# Altium PCB spd150.PcbDoc (part 1 of 15) (continued)
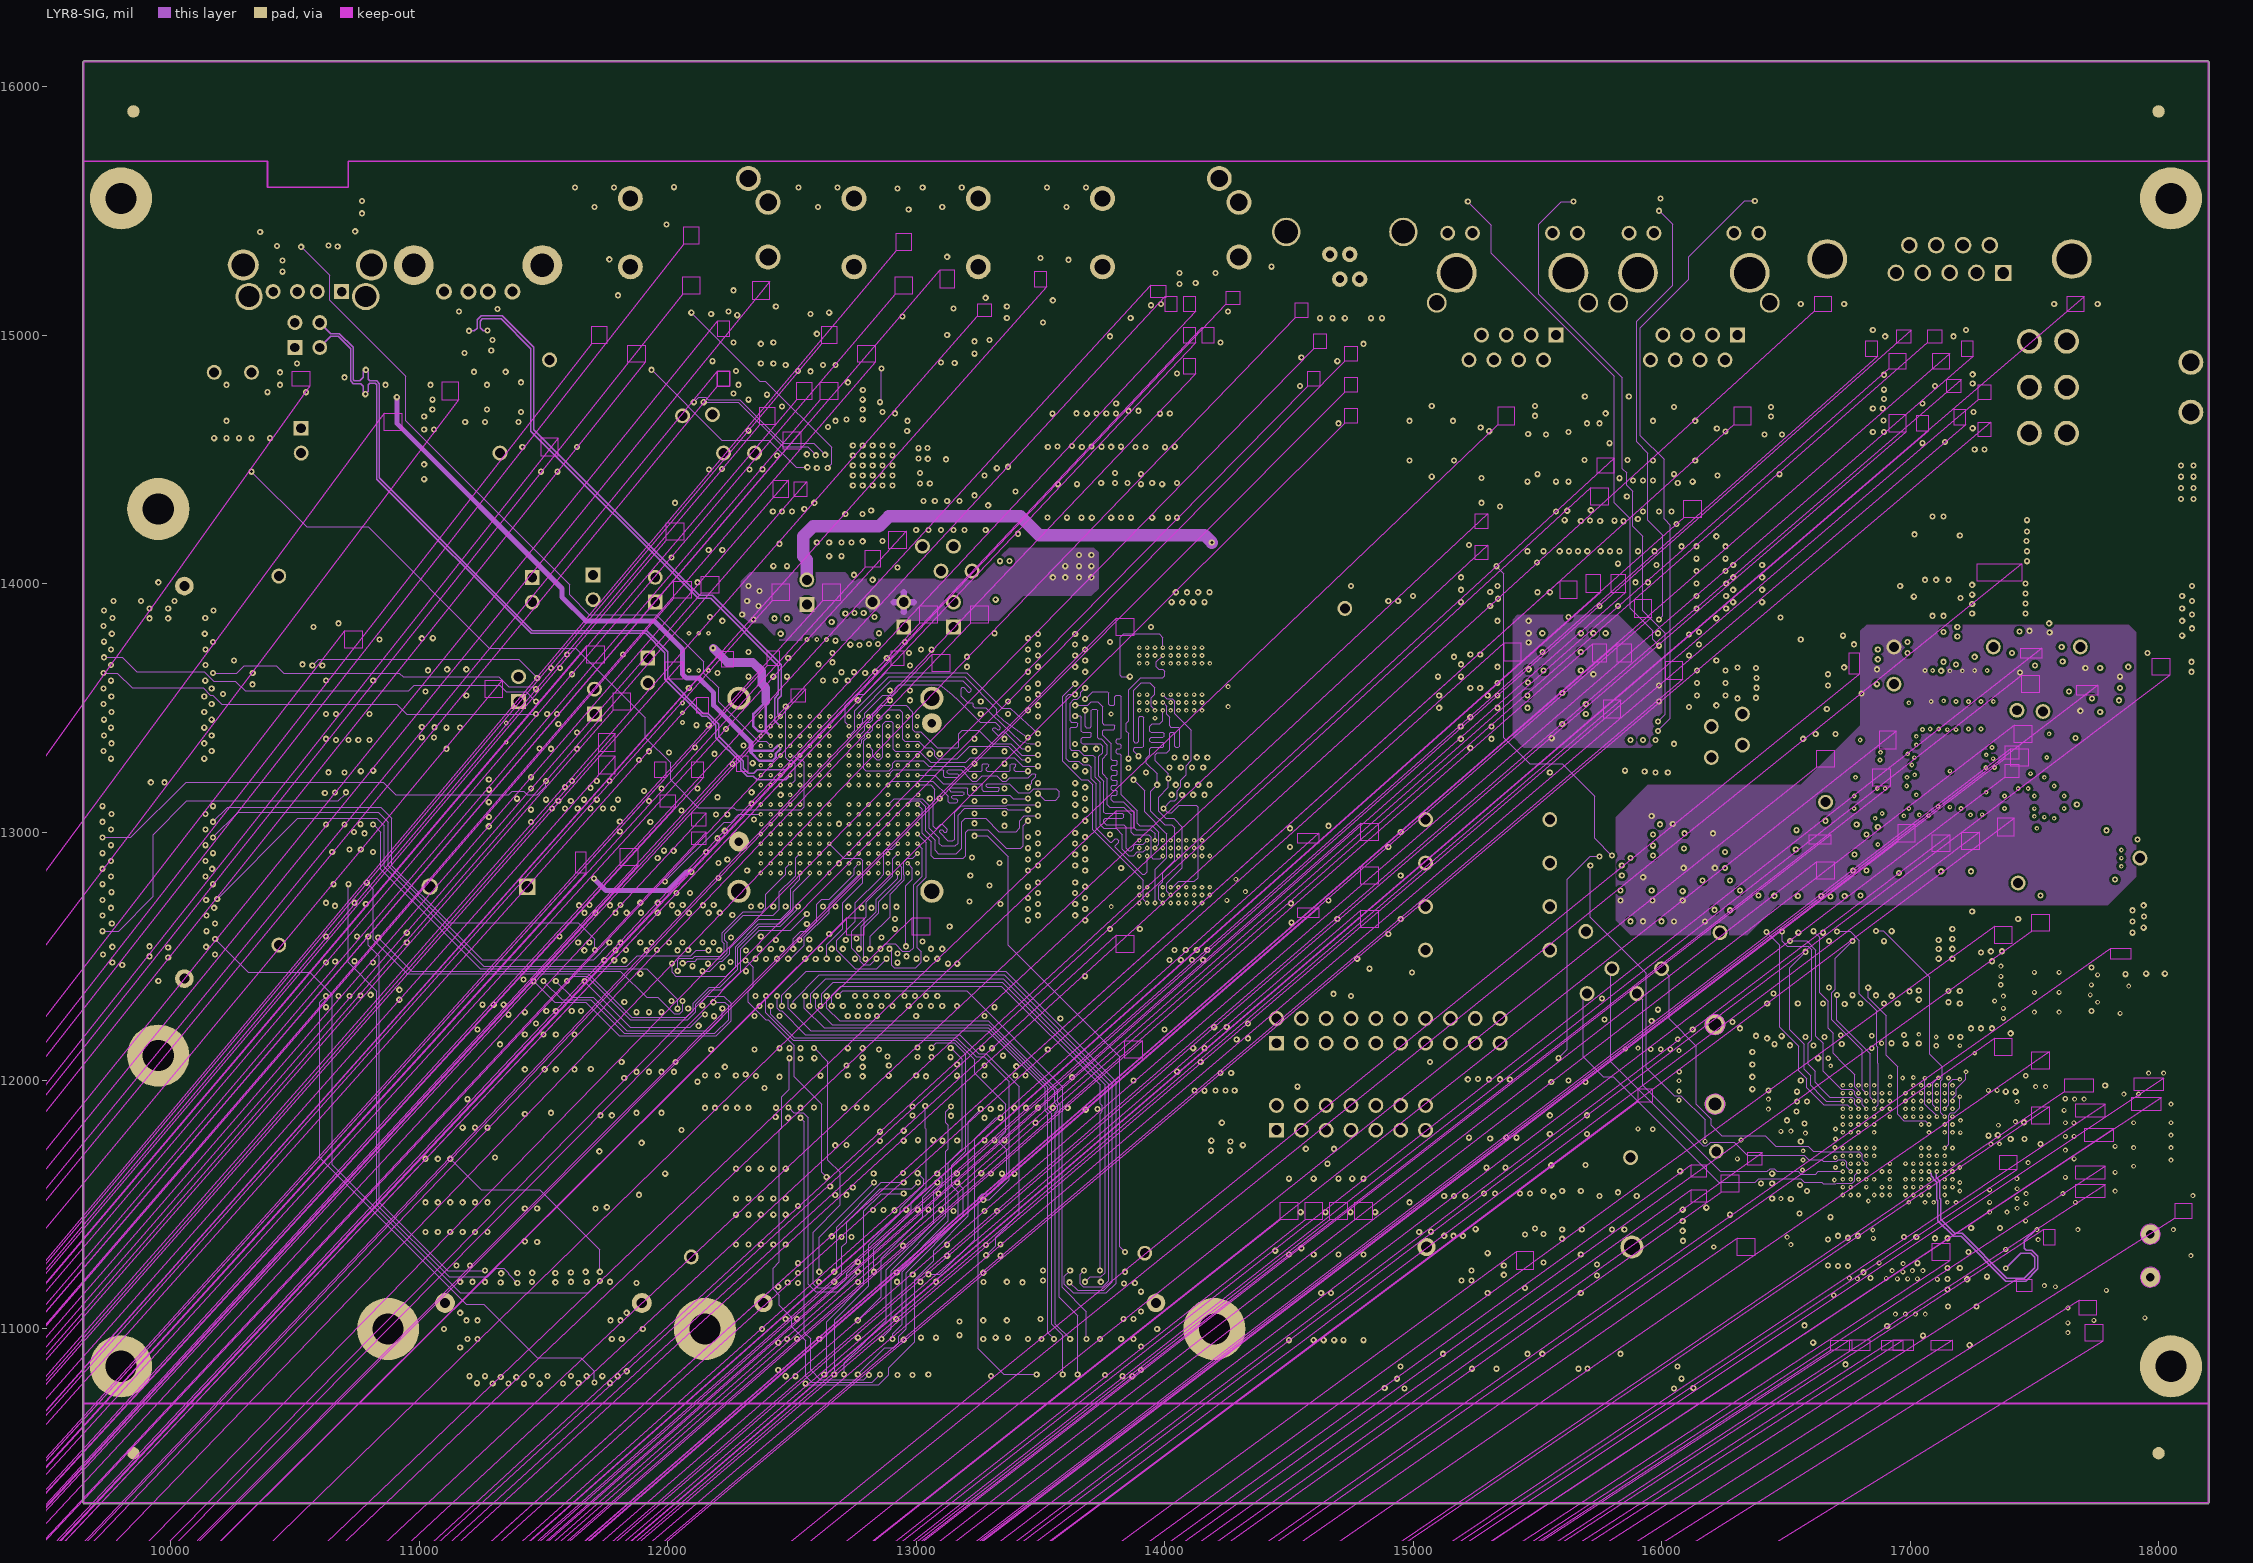
[diagram p8: LYR8-SIG]
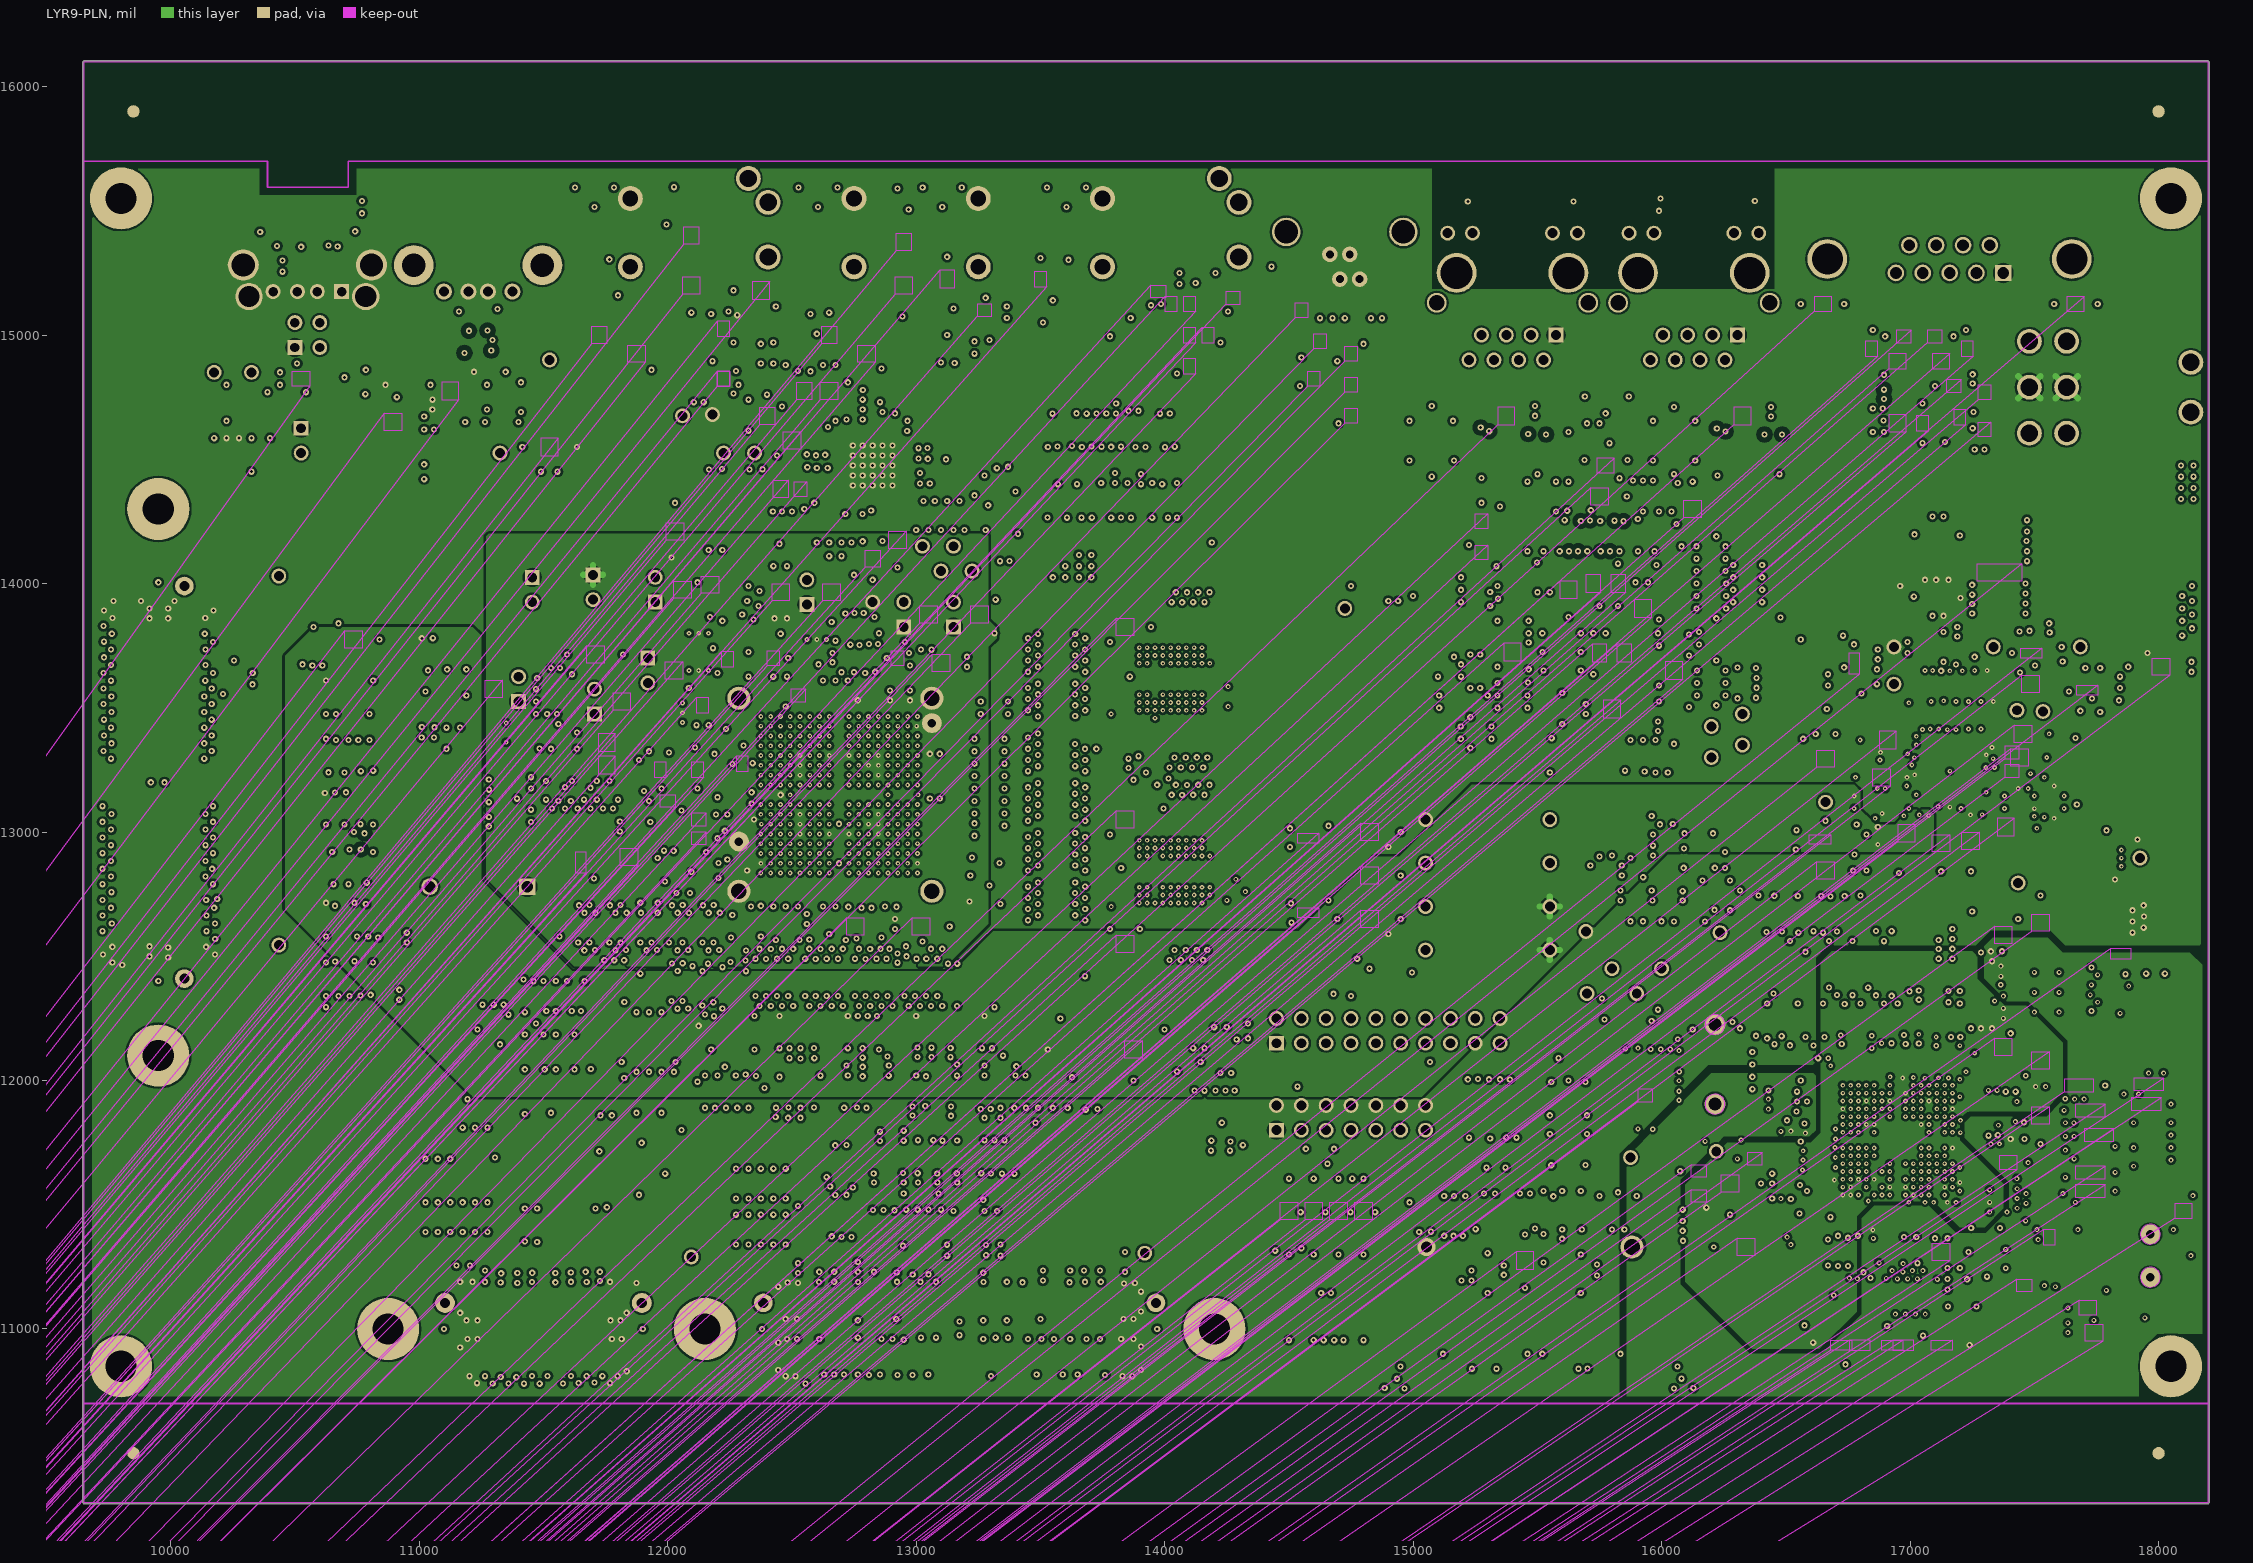
[diagram p9: LYR9-PLN]

## Layer stack, top to bottom
Top Solder: solder mask 0.4, Solder Resist, Dk 3.5
TOP: signal copper 1.2
Dielectric 1: core 8, FR-4, Dk 4.5
LYR2-PLN: signal copper 1.2
Dielectric2: core 8, FR-4, Dk 4.5
LYR3-SIG: signal copper 1.2
Dielectric3: core 8, FR-4, Dk 4.5
LYR4-SIG: signal copper 1.2
Dielectric4: core 8, FR-4, Dk 4.5
LYR5-PLN: signal copper 1.2
Dielectric5: core 8, FR-4, Dk 4.5
LYR6-PLN: signal copper 1.2
Dielectric6: core 8, FR-4, Dk 4.5
LYR7-SIG: signal copper 1.2
Dielectric7: core 8, FR-4, Dk 4.5
LYR8-SIG: signal copper 1.2
Dielectric8: core 8, FR-4, Dk 4.5
LYR9-PLN: signal copper 1.2
Dielectric9: core 8, FR-4, Dk 4.5
BOTTOM: signal copper 1.2
Bottom Solder: solder mask 0.4, Solder Resist, Dk 3.5

## Board outline
9646.5,10300 9650,10296.5 18200,10296.5 18203.5,10300 18203.5,16100 18200,16103.5 9650,16103.5 9646.5,16100

## Design rules (kind name [scope] priority, off if disabled: settings)
Clearance Net_Clearance_14 [InNet('N16933246')] p1: gap=20
Clearance Net_Clearance_13 [InNet('N16933323')] p2: gap=20
Clearance Net_Clearance_12 [InNet('TXP2')] p3: gap=20
Clearance Net_Clearance_11 [InNet('TXM2')] p4: gap=20
Clearance Net_Clearance_10 [InNet('RXP2')] p5: gap=20
Clearance Net_Clearance_9 [InNet('RXP1')] p6: gap=20
Clearance Net_Clearance_8 [InNet('USB_DM')] p7: gap=20
Clearance Net_Clearance_7 [InNet('USB_DP')] p8: gap=20
Clearance Net_Clearance_6 [InNet('TXM1')] p9: gap=20
Clearance Net_Clearance_5 [InNet('TXP1')] p10: gap=20
Clearance Net_Clearance_4 [InNet('RXM1')] p11: gap=20
Clearance Net_Clearance_3 [InNet('RXM2')] p12: gap=20
Clearance Net_Clearance_2 [InNet('UART2_TXD')] p13: gap=20
Clearance Net_Clearance_1 [InNet('UART2_RXD')] p14: gap=20
Clearance [All] p15: gap=10
PlaneConnect [All] p1: planeconnectstyle=Direct reliefexpansion=20 reliefentries=4 reliefconductorwidth=10 reliefairgap=10
PolygonConnect [All] p1: connectstyle=Direct reliefconductorwidth=10 reliefentries=4 polygonreliefangle="90 Angle" airgapwidth=10
RoutingVias [All] p1: holewidth=28 width=50 viastyle="Through Hole" minholewidth=28 minwidth=50 maxholewidth=28 maxwidth=50
SolderMaskExpansion [All] p1: expansion=4
Width [All] p1: maxlimit=10 minlimit=10 preferedwidth=10 impedancedriven=TRUE minimp=0.000000 maximp=0.000000 favimp=0.000000
29 further rules are at their usual default settings.

## Components (designator, comment, footprint, x,y, rotation, side; value= is the part's Value field where it differs from the comment)
C1 "CAP NP_C402-25_0.1UF" C402-25#1 11025,13725 r180 bottom
C2 "CAP NP_1_C402-25_0.1UF" C402-25#2 11500,13275 r180 bottom
C3 "CAP NP_2_C402-25_.1UF" C402-25#3 11410,13060 r90 bottom
C4 "CAP NP_2_C402-25_.1UF" C402-25#3 11410,13195 r90 bottom
C5 "CAP NP_1_C402-25_0.1UF" C402-25#4 13350,14200 r180 bottom
C6 "CAP NP_1_C402-25_0.1UF" C402-25#4 13350,14425 r180 bottom
C7 "CAP NP_1_C402-25_0.1UF" C402-25#5 13800,14325 r270 bottom
C8 "CAP NP_0_C402-25_.01UF" C402-25#5 13850,14325 r270 bottom
C9 "CAP NP_C402-25_0.1UF" C402-25#3 10625,13550 r90 bottom
C10 "CAP NP_C402-25_0.1UF" C402-25#3 12175,12200 r90 bottom
C11 "CAP NP_C402-25_0.1UF" C402-25#3 10625,12650 r90 bottom
C12 "CAP NP_C402-25_0.1UF" C402-25#3 10625,13100 r90 bottom
C13 "CAP 4_1.7UF TAN 10V 20% EIA_A_C" C1206-40X70-POL#1 11525,14550 r0 bottom
C14 "CAP 4_1.7UF TAN 10V 20% EIA_A_1" C1206-40X70P#1 10895,14650 r0 top
C15 "CAP 100NF CERMC 16V 10% 603_C40" C402-25#6 10500,14850 r180 bottom
C16 "CAP 4_1.7UF TAN 10V 20% EIA_A_2" C7343-84X118 10825,14450 r0 top
C17 "CAP NP_C402-25_0.001UF" C402-25#7 12145,13375 r270 top
C18 "CAP NP_C402-25_0.1UF" C402-25#3 12145,13375 r90 bottom
C19 "CAP NP_C402-25_0.01UF" C402-25#3 12200,13375 r90 bottom
C20 "CAP NP_C603-35X45_1UF" C603-35X45#1 12300,13275 r90 bottom
C21 "CAP NP_C402-25_0.001UF" C402-25#8 12550,13675 r180 top
C22 "CAP NP_C402-25_0.1UF" C402-25#3 12550,13675 r0 bottom
C23 "CAP NP_C402-25_0.01UF" C402-25#3 12550,13625 r0 bottom
C24 "CAP NP_C603-35X45_1UF" C603-35X45#1 12525,13550 r0 bottom
C25 "CAP NP_C402-25_0.1UF" C402-25#9 17210,11090 r0 top
C26 "CAP NP_C402-25_NO-POP" C402-25#10 12425,13700 r270 bottom
C27 "CAP NP_C603-35X45_.22UF" C603-35X45#2 12425,13700 r90 top
C28 "CAP 4_1.7UF TAN 10V 20% EIA_A_C" C1206-40X70-POL#2 11125,14775 r270 bottom
C29 "CAP 4_1.7UF TAN 10V 20% EIA_A_2" C7343-84X118 11525,14650 r270 top
C30 "CAP 100NF CERMC 16V 10% 603_C40" C402-25#11 11350,14800 r180 bottom
C31 "CAP NP_C402-25_0.001UF" C402-25#12 12155,13490 r270 top
C32 "CAP NP_C402-25_0.1UF" C402-25#3 12325,13430 r90 bottom
C33 "CAP NP_C402-25_0.01UF" C402-25#3 12275,13430 r90 bottom
C34 "CAP NP_C603-35X45_1UF" C603-35X45#1 12140,13510 r90 bottom
C35 "CAP NP_C402-25_0.001UF" C402-25#9 12225,13790 r90 top
C36 "CAP NP_C402-25_0.1UF" C402-25#13 12225,13690 r270 top
C37 "CAP NP_C402-25_0.01UF" C402-25#14 12195,13800 r270 bottom
C38 "CAP NP_C603-35X45_1UF" C603-35X45#1 12240,13695 r90 bottom
C39 "CAP NP_2_C402-25_.1UF" C402-25#15 12315,12645 r180 bottom
C40 "CAP NP_C402-25_0.1UF" C402-25#3 12450,12200 r90 bottom
C41 "CAP NP_C402-25_0.1UF" C402-25#3 12725,12200 r90 bottom
C42 "CAP NP_C402-25_0.1UF" C402-25#3 13000,12200 r90 bottom
C43 "CAP NP_C402-25_0.1UF" C402-25#3 13275,12200 r90 bottom
C44 "CAP NP_C402-25_0.1UF" C402-25#9 12145,12815 r0 top
C45 "CAP NP_C402-25_0.01UF" C402-25#9 12145,12875 r0 top
C46 "CAP NP_3_C603-35X45_18 PF" C603-35X45#1 12125,12975 r0 bottom
C47 "CAP NP_3_C603-35X45_18 PF" C603-35X45#1 12125,13050 r0 bottom
C48 "CAP NP_3_C603-35X45_18 PF" C603-35X45#3 11970,13250 r270 bottom
C49 "CAP NP_3_C603-35X45_18 PF" C603-35X45#3 12120,13250 r270 bottom
C50 "CAP NP_7_C603-35X45_22PF" C603-35X45#4 12000,13125 r180 top
C51 "CAP NP_C402-25_0.1UF" C402-25#3 12050,12840 r90 bottom
C52 "CAP NP_C603-35X45_1UF" C603-35X45#2 12925,13700 r90 top
C53 "CAP NP_C402-25_0.01UF" C402-25#16 12550.5,13150 r0 bottom
C54 "CAP NP_C402-25_0.1UF" C402-25#17 12830,13150 r180 bottom
C55 "CAP NP_C402-25_0.001UF" C402-25#10 12925,13700 r270 bottom
C56 "CAP NP_C402-25_0.1UF" C402-25#18 12374,13368.7 r0 bottom
C57 "CAP NP_C402-25_0.1UF" C402-25#19 12303,13675 r270 bottom
C58 "CAP NP_C402-25_0.01UF" C402-25#19 12354.8,13671.7 r270 bottom
C59 "NPCAP_0_C402-25_0.1UF" C402-25#17 12750,13150 r180 bottom
C60 "NPCAP_0_C402-25_0.1UF" C402-25#17 12690,13170 r90 bottom
C61 "NPCAP_0_C402-25_0.1UF" C402-25#20 12300,13075 r180 bottom
C62 "NPCAP_0_C402-25_0.1UF" C402-25#21 12611,13051 r0 bottom
C63 "NPCAP_0_C402-25_0.1UF" C402-25#3 13075,13175 r0 bottom
C64 "NPCAP_0_C402-25_0.1UF" C402-25#17 12690,13090 r90 bottom
C65 "NPCAP_0_C402-25_0.1UF" C402-25#17 12611,13091 r0 bottom
C66 "NPCAP_0_C402-25_0.1UF" C402-25#17 12690,13250 r90 bottom
C67 "NPCAP_0_C402-25_0.1UF" C402-25#17 12630,13150 r0 bottom
C68 "NPCAP_0_C402-25_0.1UF" C402-25#17 12611,13249 r0 bottom
C69 "CAP P_C1206-40X70P_33UF" C1206-40X70P#1 11710,13715 r0 top
C70 "CAP P_C1206-40X70P_33UF" C1206-40X70P#1 12755,12620 r0 top
C71 "CAP P_C1206-40X70P_33UF" C1206-40X70P#1 13100,13680 r0 top
C72 "CAP P_C1206-40X70P_33UF" C1206-40X70P#1 12170,13995 r90 top
C73 "NPCAP_0_C402-25_0.1UF" C402-25#17 12769,13052 r180 bottom
C74 "NPCAP_0_C402-25_0.1UF" C402-25#17 12769,13209 r180 bottom
C75 "NPCAP_0_C402-25_0.1UF" C402-25#17 12611,13209 r0 bottom
C76 "NPCAP_0_C402-25_0.1UF" C402-25#17 12769,13249 r180 bottom
C77 "NPCAP_0_C402-25_0.1UF" C402-25#22 12768,13092.5 r180 bottom
C78 "NPCAP_0_C402-25_0.1UF" C402-25#3 12935,13550 r90 bottom
C79 "NPCAP_0_C402-25_0.1UF" C402-25#3 12855,13550 r90 bottom
C80 "NPCAP_0_C402-25_0.1UF" C402-25#17 12808,13012 r180 bottom
C81 "NPCAP_0_C402-25_0.1UF" C402-25#20 12300,12890 r180 bottom
C82 "NPCAP_0_C402-25_0.1UF" C402-25#3 13075,13275 r0 bottom
C83 "NPCAP_0_C402-25_0.1UF" C402-25#16 12728.5,13012 r0 bottom
C84 "NPCAP_0_C402-25_0.1UF" C402-25#3 13075,13235 r0 bottom
C85 "NPCAP_0_C402-25_0.1UF" C402-25#23 12809,13291.5 r180 bottom
C86 "NPCAP_0_C402-25_0.1UF" C402-25#24 12651,13012 r180 bottom
C87 "NPCAP_0_C402-25_0.1UF" C402-25#25 12809,12972 r180 bottom
C88 "NPCAP_0_C402-25_0.1UF" C402-25#17 12395,13150 r180 bottom
C89 "NPCAP_0_C402-25_0.1UF" C402-25#17 12572,12973 r0 bottom
C90 "NPCAP_0_C402-25_0.1UF" C402-25#17 12572,13327 r0 bottom
C91 "NPCAP_0_C402-25_0.1UF" C402-25#17 12848,13328 r0 bottom
C92 "NPCAP_0_C402-25_0.1UF" C402-25#17 12690,13365 r90 bottom
C93 "NPCAP_0_C402-25_0.1UF" C402-25#3 13275,12695 r0 bottom
C94 "NPCAP_0_C402-25_0.1UF" C402-25#20 12300,13025 r180 bottom
C95 "NPCAP_0_C402-25_0.1UF" C402-25#17 12945,13150 r0 bottom
C96 "NPCAP_0_C402-25_0.1UF" C402-25#26 12571,13013 r0 bottom
C97 "NPCAP_0_C402-25_0.1UF" C402-25#17 12572,13288 r0 bottom
C98 "NPCAP_0_C402-25_0.1UF" C402-25#17 12690,12930 r270 bottom
C99 "NPCAP_0_C402-25_0.1UF" C402-25#3 12725,13550 r90 bottom
C100 "CAP P_C1206-40X70P_33UF" C1206-40X70P#1 12455,13965 r90 top
C101 "CAP P_C1206-40X70P_33UF" C1206-40X70P#1 13255,13875 r90 top
C102 "CAP P_C1206-40X70P_33UF" C1206-40X70P#1 13020,12620 r0 top
C103 "CAP P_C1206-40X70P_33UF" C1206-40X70P#1 12030,14210 r90 top
C104 "CAP P_C1206-40X70_22 UF" C1206-40X70#1 10735,13775 r0 top
C105 "CAP P_C1206-40X70_22 UF" C1206-40X70#1 13840.1,13050 r0 top
C106 "CAP NP_0_C402-25_0.1UF" C402-25#27 14165.1,12870 r180 bottom
C107 "CAP NP_0_C402-25_0.1UF" C402-25#28 14231.6,12810 r180 bottom
C108 "CAP NP_0_C402-25_0.1UF" C402-25#29 14146.6,12810 r180 bottom
C109 "CAP NP_0_C402-25_0.1UF" C402-25#3 13840.1,12700 r0 bottom
C110 "CAP NP_0_C402-25_0.1UF" C402-25#30 14115.1,13585 r180 bottom
C111 "CAP NP_0_C402-25_0.1UF" C402-25#27 14165.1,13645 r180 bottom
C112 "CAP NP_0_C402-25_0.1UF" C402-25#31 14270.1,12760 r180 bottom
C113 "CAP NP_0_C402-25_0.1UF" C402-25#3 14065.1,12870 r0 bottom
C114 "CAP P_C1206-40X70_22 UF" C1206-40X70#1 13840.1,13825 r0 top
C115 "CAP P_C1206-40X70_22 UF" C1206-40X70#1 13840.1,12550 r0 top
C116 "CAP NP_0_C402-25_0.1UF" C402-25#32 14035.1,13585 r180 bottom
C117 "CAP NP_0_C402-25_0.1UF" C402-25#33 14200.1,13505 r180 bottom
C118 "CAP NP_0_C402-25_0.1UF" C402-25#3 14065.1,13645 r0 bottom
C119 "CAP NP_0_C402-25_0.1UF" C402-25#34 14066.6,12810 r180 bottom
C120 "CAP NP_0_C402-25_0.1UF" C402-25#3 13840.1,13475 r0 bottom
C121 "CAP NP_0_C402-25_0.1UF" C402-25#33 14200.1,13585 r180 bottom
C122 "CAP NP_C402-25_0.1UF" C402-25#3 11475,11425 r90 bottom
C123 "CAP NP_1_C402-25_0.1UF" C402-25#3 11425,12350 r90 bottom
C124 "CAP NP_2_C402-25_.1UF" C402-25#35 11325,12225 r270 bottom
C125 "CAP NP_2_C402-25_.1UF" C402-25#36 11825,12400 r270 bottom
C126 "CAP .1 UF 10% 0603_C402-25_.1UF" C402-25#3 11900,12225 r0 bottom
C127 "CAP NP_C603-35X45_1UF" C603-35X45#5 17050,14645 r270 bottom
C128 "CAPACITOR POL_0_C1206-40X70-POL" C1206-40X70-POL#3 16950,14645 r270 bottom
C129 "CAP NP_C603-35X45_10PF" C603-35X45#6 16845,14945 r270 bottom
C130 "CAP NP_C603-35X45_10PF" C603-35X45#1 16975,14995 r0 bottom
C131 "CAP NP_C603-35X45_10PF" C603-35X45#6 17230,14945 r270 bottom
C132 "CAP NP_C603-35X45_10PF" C603-35X45#7 17100,14995 r180 bottom
C133 "CAP NP_C603-35X45_1UF" C603-35X45#8 17200,14670 r270 bottom
C134 "CAP NP_C603-35X45_1UF" C603-35X45#2 17300,14770 r90 top
C135 "CAP NP_C603-35X45_1UF" C603-35X45#1 17175,14795 r0 bottom
C136 "CAP NP_C603-35X45_1UF" C603-35X45#9 17300,14620 r270 top
C137 "CAP NP_1_C402-25_0.1UF" C402-25#37 12700,11700 r180 bottom
C138 "CAP NP_1_C402-25_0.1UF" C402-25#37 12700,11500 r180 bottom
C139 "CAP NP_1_C402-25_0.1UF" C402-25#38 13100,11400 r270 bottom
C140 "CAP NP_0_C402-25_.01UF" C402-25#38 13150,11400 r270 bottom
C141 "10UF-10V-293D-C_1_DISCRETE_C120" C1206-40X70-POL#1 15450,11275 r90 bottom
C142 "0402_0R1UF_X7R_10V_10_C402-25_0" C402-25#39 15525,11325 r270 bottom
C143 "CAP NP_0_C402-25_0.1UF" C402-25#29 14150,11900 r180 bottom
C144 "CAP NP_1_C402-25_NO POP" C402-25#40 14305,12110 r270 bottom
C145 "CAP NP_0_C402-25_0.1UF" C402-25#3 14200,12150 r90 bottom
C146 "CAP NP_0_C402-25_.1 UF" C402-25#3 14625,11725 r0 bottom
C147 "CAP NP_0_C402-25_0.1UF" C402-25#41 15250,11950 r180 bottom
C148 "CAP NP_0_C402-25_0.1UF" C402-25#3 14700,12400 r90 bottom
C149 "CAP NP_0_C402-25_.1 UF" C402-25#36 14800,12400 r270 bottom
C150 "CAPACITOR POL_0_C1206-40X70-POL" C1206-40X70-POL#4 12925,14175 r270 top
C151 "CAP NP_C402-25_.1UF" C402-25#9 12750,14100 r90 top
C152 "CAP NP_C402-25_.1UF" C402-25#42 12850,14225 r270 top
C153 "CAP NP_C402-25_.1UF" C402-25#3 12700,14600 r90 bottom
C154 "CAP NP_C402-25_.1UF" C402-25#3 12900,14625 r90 bottom
C155 "CAPACITOR POL_0_C1206-40X70-POL" C1206-40X70-POL#5 12650,14775 r90 top
C156 "CAP NP_C402-25_.1UF" C402-25#3 12850,14625 r90 bottom
C157 "CAP NP_C402-25_.1UF" C402-25#9 12725,14750 r90 top
C158 "CAP NP_C402-25_.1UF" C402-25#43 13550,15075 r270 top
C159 "CAP NP_C402-25_.1UF" C402-25#44 12590,14390 r270 top
C160 "CAP NP_C603-35X45_1UF" C603-35X45#10 12535,14380 r270 top
C161 "CAP NP_C603-35X45_220PF" C603-35X45#11 13500,15225 r270 bottom
C162 "CAPACITOR POL_0_C1206-40X70-POL" C1206-40X70-POL#6 12500,14575 r270 top
C163 "CAP NP_C402-25_.1UF" C402-25#45 12625,14575 r270 top
C164 "CAP NP_C402-25_.1UF" C402-25#45 12575,14575 r270 top
C165 "CAP NP_C402-25_.1UF" C402-25#46 12325,14675 r270 top
C166 "CAP NP_C402-25_.1UF" C402-25#47 13100,14450 r180 top
C167 "CAP NP_C603-35X45_220PF" C603-35X45#2 13975,15175 r0 top
C168 "CAPACITOR POL_0_C1206-40X70P_33" C1206-40X70P#2 12800,14925 r180 top
C169 "CAPACITOR POL_0_C1206-40X70P_33" C1206-40X70P#1 12950,15200 r90 top
C170 "CAP NP_C402-25_.1UF" C402-25#48 13100,15050 r270 top
C171 "CAP NP_C603-35X45_220PF" C603-35X45#12 13275,15100 r180 bottom
C172 "CAP NP_C402-25_.1UF" C402-25#49 13175,14975 r180 bottom
C173 "CAPACITOR POL_0_C1206-40X70-P_1" C1206-40X70-POL#7 11875,14925 r180 top
C174 "CAPACITOR POL_0_C1206-40X70-P_1" C1206-40X70-POL#5 12095,15200 r90 top
C175 "CAP NP_1_C402-25_.1UF" C402-25#9 12450,14225 r90 top
C176 "CAP NP_1_C603-35X45_0.22UF" C603-35X45#13 14100,14875 r270 bottom
C177 "CAP NP_1_C603-35X45_0.22UF" C603-35X45#14 14100,15000 r270 bottom
C178 "CAP NP_1_C603-35X45_0.47UF" C603-35X45#1 14175,15000 r90 bottom
C179 "CAP NP_1_C603-35X45_18PF" C603-35X45#1 12225,15025 r90 bottom
C180 "CAP NP_1_C603-35X45_0.22UF" C603-35X45#1 14025,15125 r90 bottom
C181 "CAP NP_1_C603-35X45_0.22UF" C603-35X45#15 14100,15125 r270 bottom
C182 "CAP NP_1_C603-35X45_0.47UF" C603-35X45#16 14275,15150 r180 bottom
C183 "CAPACITOR POL_0_C1206-40X70_22U" C1206-40X70#2 12375,15180 r0 bottom
C184 "CAP NP_1_C402-25_0.1UF" C402-25#9 12355,15005 r0 top
C185 "CAP NP_1_C603-35X45_0.47UF" C603-35X45#2 12225,14825 r90 top
C186 "CAP NP_1_C603-35X45_0.47UF" C603-35X45#1 12225,14825 r90 bottom
C187 "CAP NP_1_C402-25_0.01UF" C402-25#3 12175,15150 r90 bottom
C188 "CAP NP_1_C402-25_0.01UF" C402-25#3 12575,15150 r90 bottom
C189 "CAP NP_1_C402-25_0.1UF" C402-25#50 12425,14825 r270 top
C190 "CAP NP_1_C603-35X45_0.22UF" C603-35X45#2 14600,14825 r90 top
C191 "CAP NP_1_C603-35X45_0.22UF" C603-35X45#2 14625,14975 r90 top
C192 "CAP NP_1_C603-35X45_0.47UF" C603-35X45#2 14550,15100 r90 top
C193 "CAP NP_1_C603-35X45_0.22UF" C603-35X45#2 14750,14675 r90 top
C194 "CAP NP_1_C603-35X45_0.22UF" C603-35X45#2 14750,14800 r90 top
C195 "CAP NP_1_C603-35X45_0.47UF" C603-35X45#2 14750,14925 r90 top
C196 "CAP NP_1_C402-25_0.01UF" C402-25#51 14675,15125 r270 top
C197 "CAP NP_1_C402-25_0.01UF" C402-25#51 14825,15125 r270 top
C198 "CAP NP_C402-25_0.01UF" C402-25#52 14900,13875 r180 bottom
C199 "CAP NP_C603-35X45_NO-POP" C603-35X45#17 15275,14125 r270 top
C200 "CAP NP_C603-35X45_NO-POP" C603-35X45#18 15275,14250 r270 top
C201 "CAPACITOR POL_0_C1206-40X70-POL" C1206-40X70-POL#8 16050,13650 r270 bottom
C202 "CAPACITOR POL_0_C1206-40X70-POL" C1206-40X70-POL#1 15400,13725 r90 bottom
C203 "CAPACITOR POL_0_C7343-84X118_10" C7343-84X118 16350,13775 r0 top
C204 "CAP NP_C402-25_0.1UF" C402-25#3 15400,13850 r0 bottom
C205 "CAP NP_C402-25_0.1UF" C402-25#3 15550,13300 r90 bottom
C206 "CAP NP_C402-25_0.1UF" C402-25#53 16050,13525 r180 bottom
C207 "CAP NP_C402-25_0.1UF" C402-25#54 15750,13850 r270 bottom
C208 "CAP NP_C402-25_0.1UF" C402-25#3 15875,13300 r90 bottom
C209 "CAP NP_C402-25_0.1UF" C402-25#3 15400,13600 r0 bottom
C210 "CAP NP_C402-25_0.1UF" C402-25#53 16050,13800 r180 bottom
C211 "CAPACITOR POL_0_C1206-40X70-POL" C1206-40X70-POL#1 15800,13495 r0 bottom
C212 "CAPACITOR POL_0_C1206-40X70-POL" C1206-40X70-POL#9 15925,13900 r270 bottom
C213 "CAP NP_C402-25_0.1UF" C402-25#54 15825,13850 r270 bottom
C214 "CAPACITOR POL_0_C7343-84X118_47" C7343-84X118 15775,14625 r90 top
C215 "CAP NP_C402-25_0.01UF" C402-25#55 15700,14575 r270 bottom
C216 "CAP NP_C402-25_0.1UF" C402-25#55 15750,14575 r270 bottom
C217 "CAPACITOR POL_0_C1206-40X70-P_2" C1206-40X70-POL#1 15625,13975 r90 bottom
C218 "CAP NP_C402-25_0.001UF" C402-25#3 15500,14025 r90 bottom
C219 "CAP NP_C402-25_0.1UF" C402-25#3 15550,14025 r90 bottom
C220 "CAPACITOR POL_0_C1206-40X70-POL" C1206-40X70-POL#5 15750,14350 r0 top
C221 "CAPACITOR POL_0_C1206-40X70-POL" C1206-40X70-POL#5 16125,14300 r90 top
C222 "CAP NP_C402-25_0.1UF" C402-25#3 15905,14190 r90 bottom
C223 "CAP NP_C402-25_0.1UF" C402-25#3 16045,14095 r90 bottom
C224 "CAP NP_C402-25_0.1UF" C402-25#3 15625,14190 r90 bottom
C225 "CAP NP_C402-25_0.1UF" C402-25#56 16475,14500 r270 top
C226 "CAP NP_EIA1812_1000PF 2KV" EIA1812#1 15075,14575 r180 top
C227 "CAPACITOR POL_0_C1206-40X70-POL" C1206-40X70-POL#10 15375,14675 r180 bottom
C228 "CAP NP_C402-25_0.1UF" C402-25#56 16225,14500 r270 top
C229 "CAP NP_C402-25_0.1UF" C402-25#56 15500,14500 r270 top
C230 "CAP NP_EIA1812_1000PF 2KV" EIA1812#2 16050,14575 r180 top
C231 "CAPACITOR POL_0_C1206-40X70-POL" C1206-40X70-POL#11 16325,14675 r180 bottom
C232 "CAP NP_C402-25_0.1UF" C402-25#56 15275,14500 r270 top
C233 "CAP NP_2_C402-25_.1UF" C402-25#3 10575,13750 r90 bottom
C234 "CAP P_0_C1206-40X70-POL_10UF" C1206-40X70-POL#12 16885,13220 r180 top

## Text inside footprints (layer, text, board x,y; h text height)
U50: PIN_NUMBER "2" at 17667,13570 h40 r270; PIN_NUMBER "1" at 17667,13607.4 h40 r270; PIN_NUMBER "4" at 17771,13532.6 h40 r270; PIN_NUMBER "5" at 17771,13570 h40 r270; PIN_NUMBER "6" at 17771,13607.4 h40 r270; PIN_NUMBER "3" at 17667,13532.6 h40 r270; ASSEMBLY_TOP "TPS3808G09DBVRG4" at 17740,13590 h40 r270; ASSEMBLY_TOP "X" at 17740,13555 h40 r270; ASSEMBLY_TOP "X" at 17740,13520 h40 r270
U51: PIN_NUMBER "1" at 16159.6,12759 h40 r180; PIN_NUMBER "3" at 16108.4,12759 h40 r180; PIN_NUMBER "2" at 16134,12759 h40 r180; PIN_NUMBER "4" at 16108.4,12681 h40 r180; PIN_NUMBER "5" at 16159.6,12681 h40 r180; ASSEMBLY_TOP "PART#" at 16266.1,12840.9 h40.2 r180; ASSEMBLY_TOP "TOL" at 16205.9,12634.2 h40.2 r180; ASSEMBLY_TOP "SN74AHC14DCKRG4" at 16251.2,12679.1 h40.2 r180; SYMB_DIM "0" at 16065,12735 h29.9 r180; SYMB_DIM "0" at 16165,12610.2 h29.9 r180
U52: PIN_NUMBER "1" at 16034.6,12759 h40 r180; PIN_NUMBER "3" at 15983.4,12759 h40 r180; PIN_NUMBER "2" at 16009,12759 h40 r180; PIN_NUMBER "4" at 15983.4,12681 h40 r180; PIN_NUMBER "5" at 16034.6,12681 h40 r180; ASSEMBLY_TOP "PART#" at 16141.1,12840.9 h40.2 r180; ASSEMBLY_TOP "TOL" at 16080.9,12634.2 h40.2 r180; ASSEMBLY_TOP "SN74AHC14DCKRG4" at 16126.2,12679.1 h40.2 r180; SYMB_DIM "0" at 15940,12735 h29.9 r180; SYMB_DIM "0" at 16040,12610.2 h29.9 r180
U53: PIN_NUMBER "1" at 15909.6,12759 h40 r180; PIN_NUMBER "3" at 15858.4,12759 h40 r180; PIN_NUMBER "2" at 15884,12759 h40 r180; PIN_NUMBER "5" at 15909.6,12681 h40 r180; PIN_NUMBER "4" at 15858.4,12681 h40 r180; ASSEMBLY_TOP "PART#" at 16016.1,12840.9 h40.2 r180; ASSEMBLY_TOP "TOL" at 15955.9,12634.2 h40.2 r180; ASSEMBLY_TOP "SN74AHC14DCKRG4" at 16001.2,12679.1 h40.2 r180; SYMB_DIM "0" at 15815,12735 h29.9 r180; SYMB_DIM "0" at 15915,12610.2 h29.9 r180
U54: PIN_NUMBER "2" at 16569,12970 h80 r270; PIN_NUMBER "4" at 16687,12932.6 h80 r270; PIN_NUMBER "3" at 16569,12932.6 h80 r270; PIN_NUMBER "1" at 16569,13007.4 h80 r270; PIN_NUMBER "5" at 16687,13007.4 h80 r270; ASSEMBLY_TOP "TPS79901-ADJ" at 16665,12990 h40 r270; ASSEMBLY_TOP "X" at 16665,12955 h40 r270; ASSEMBLY_TOP "X" at 16665,12920 h40 r270; SYMB_DIM "PAD 20X60REC" at 16720,12865 h40 r270; SYMB_DIM "SOT23-20X60-5" at 16960,13070 h40 r270
U55: PIN_NUMBER "2" at 10802.4,14811.6 h40 r90; PIN_NUMBER "4" at 10738.4,14831.3 h40 r90; PIN_NUMBER "1" at 10802.4,14791.9 h40 r90; PIN_NUMBER "3" at 10802.4,14831.3 h40 r90; PIN_NUMBER "5" at 10738.4,14791.9 h40 r90; ASSEMBLY_TOP "PART#" at 10907.3,14695.5 h40.2 r90; ASSEMBLY_TOP "TOL" at 10700.6,14755.7 h40.2 r90; ASSEMBLY_TOP "TPD2E001DRL" at 10745.5,14710.4 h40.2 r90
U56: PIN_NUMBER "2" at 11224,14898 h40; PIN_NUMBER "4" at 11243.7,14962 h40; PIN_NUMBER "3" at 11243.7,14898 h40; PIN_NUMBER "5" at 11204.3,14962 h40; PIN_NUMBER "1" at 11204.3,14898 h40; ASSEMBLY_TOP "PART#" at 11123.9,14809.1 h40.2; ASSEMBLY_TOP "TOL" at 11184.1,15015.8 h40.2; ASSEMBLY_TOP "TPD2E001DRL" at 11138.8,14970.9 h40.2
U57: PIN_NUMBER "1" at 17253,11159.4 h40 r90; PIN_NUMBER "3" at 17253,11210.6 h40 r90; PIN_NUMBER "2" at 17253,11185 h40 r90; PIN_NUMBER "4" at 17175,11210.6 h40 r90; PIN_NUMBER "5" at 17175,11159.4 h40 r90; ASSEMBLY_TOP "PART#" at 17350.9,11068.9 h40.2 r90; ASSEMBLY_TOP "TOL" at 17144.2,11129.1 h40.2 r90; ASSEMBLY_TOP "SN74LVC1G04" at 17189.1,11083.8 h40.2 r90; SYMB_DIM "0" at 17245,11270 h29.9 r90; SYMB_DIM "0" at 17120.2,11170 h29.9 r90
U58: PIN_NUMBER "5" at 13644.8,11941.4 h20; PIN_NUMBER "6" at 13670.4,11941.4 h20; PIN_NUMBER "11" at 13669.4,12187.6 h20 r90; PIN_NUMBER "10" at 13695,12187.6 h20 r90; PIN_NUMBER "14" at 13592.6,12187.6 h20 r90; PIN_NUMBER "13" at 13618.2,12187.6 h20 r90; PIN_NUMBER "15" at 13567,12187.6 h20 r90; PIN_NUMBER "8" at 13721.6,11941.4 h20; PIN_NUMBER "3" at 13593.6,11941.4 h20; PIN_NUMBER "2" at 13568,11941.4 h20; PIN_NUMBER "16" at 13541.4,12187.6 h20 r90; PIN_NUMBER "12" at 13643.8,12187.6 h20 r90; PIN_NUMBER "9" at 13728.6,12187.6 h20 r90; PIN_NUMBER "7" at 13696,11941.4 h20; PIN_NUMBER "4" at 13619.2,11941.4 h20; PIN_NUMBER "1" at 13542.4,11941.4 h20; ASSEMBLY_TOP "SN74CBTLV3257PW" at 13607,12090 h40; ASSEMBLY_TOP "X" at 13642,12090 h40; ASSEMBLY_TOP "X" at 13677,12090 h40; SYMB_DIM "PAD 14X70 OV" at 13395,11530 h40; SYMB_DIM "TSSOP16-14X70" at 13365,12520 h40; SYMB_DIM "0" at 13620,11795 h40; SYMB_DIM "0" at 13272,12050 h40
U59: PIN_NUMBER "3" at 10273,13645.6 h40 r90; PIN_NUMBER "1" at 10273,13594.4 h40 r90; PIN_NUMBER "4" at 10195,13645.6 h40 r90; PIN_NUMBER "5" at 10195,13594.4 h40 r90; PIN_NUMBER "2" at 10273,13620 h40 r90; ASSEMBLY_TOP "PART#" at 10370.9,13503.9 h40.2 r90; ASSEMBLY_TOP "TOL" at 10164.2,13564.1 h40.2 r90; ASSEMBLY_TOP "74CBTLV1G125CRG4" at 10209.1,13518.8 h40.2 r90; SYMB_DIM "0" at 10265,13705 h29.9 r90; SYMB_DIM "0" at 10140.2,13605 h29.9 r90
U60: PIN_NUMBER "3" at 11910,11539.4 h40 r270; PIN_NUMBER "4" at 11988,11539.4 h40 r270; PIN_NUMBER "5" at 11988,11590.6 h40 r270; PIN_NUMBER "2" at 11910,11565 h40 r270; PIN_NUMBER "1" at 11910,11590.6 h40 r270; ASSEMBLY_TOP "PART#" at 11844.1,11681.1 h40.2 r270; ASSEMBLY_TOP "TOL" at 12050.8,11620.9 h40.2 r270; ASSEMBLY_TOP "SN74LVC1G125" at 12005.9,11666.2 h40.2 r270; SYMB_DIM "0" at 11950,11480 h29.9 r270; SYMB_DIM "0" at 12074.8,11580 h29.9 r270
U61: PIN_NUMBER "3" at 11998,11800.6 h40 r90; PIN_NUMBER "1" at 11998,11749.4 h40 r90; PIN_NUMBER "2" at 11998,11775 h40 r90; PIN_NUMBER "5" at 11920,11749.4 h40 r90; PIN_NUMBER "4" at 11920,11800.6 h40 r90; ASSEMBLY_TOP "PART#" at 12095.9,11658.9 h40.2 r90; ASSEMBLY_TOP "TOL" at 11889.2,11719.1 h40.2 r90; ASSEMBLY_TOP "1G08" at 11934.1,11673.8 h40.2 r90; SYMB_DIM "0" at 11990,11860 h29.9 r90; SYMB_DIM "0" at 11865.2,11760 h29.9 r90
U502: PIN_NUMBER "H11" at 16827.7,11775.8 h10 r180; PIN_NUMBER "L4" at 17052.3,11870.3 h10 r180; PIN_NUMBER "K9" at 16894.7,11838.8 h10 r180; PIN_NUMBER "M8" at 16926.2,11901.8 h10 r180; PIN_NUMBER "P7" at 16957.8,11964.8 h10 r180; PIN_NUMBER "P5" at 17020.8,11964.8 h10 r180; PIN_NUMBER "K1" at 17146.8,11838.8 h10 r180; PIN_NUMBER "H3" at 17083.8,11775.8 h10 r180; PIN_NUMBER "G3" at 17083.8,11744.2 h10 r180; PIN_NUMBER "C3" at 17083.8,11618.2 h10 r180; PIN_NUMBER "H5" at 17020.8,11775.8 h10 r180; PIN_NUMBER "J3" at 17083.8,11807.3 h10 r180; PIN_NUMBER "E10" at 16859.2,11681.2 h10 r180; PIN_NUMBER "D5" at 17020.8,11649.7 h10 r180; PIN_NUMBER "E9" at 16894.7,11681.2 h10 r180; PIN_NUMBER "D7" at 16957.8,11649.7 h10 r180; PIN_NUMBER "A11" at 16827.7,11555.2 h10 r180; PIN_NUMBER "B10" at 16859.2,11586.7 h10 r180; PIN_NUMBER "C9" at 16894.7,11618.2 h10 r180; PIN_NUMBER "D10" at 16859.2,11649.7 h10 r180; PIN_NUMBER "B12" at 16796.2,11586.7 h10 r180; PIN_NUMBER "B4" at 17052.3,11586.7 h10 r180; PIN_NUMBER "F1" at 17146.8,11712.7 h10 r180; PIN_NUMBER "N2" at 17115.3,11933.3 h10 r180; PIN_NUMBER "P2" at 17115.3,11964.8 h10 r180; PIN_NUMBER "N1" at 17146.8,11933.3 h10 r180; PIN_NUMBER "P1" at 17146.8,11964.8 h10 r180; PIN_NUMBER "N9" at 16894.7,11933.3 h10 r180; PIN_NUMBER "M3" at 17083.8,11901.8 h10 r180; PIN_NUMBER "K5" at 17020.8,11838.8 h10 r180; PIN_NUMBER "N10" at 16859.2,11933.3 h10 r180; PIN_NUMBER "K4" at 17052.3,11838.8 h10 r180; PIN_NUMBER "M5" at 17020.8,11901.8 h10 r180; PIN_NUMBER "N14" at 16733.2,11933.3 h10 r180; PIN_NUMBER "M13" at 16764.7,11901.8 h10 r180; PIN_NUMBER "C2" at 17115.3,11618.2 h10 r180; PIN_NUMBER "B1" at 17146.8,11586.7 h10 r180; PIN_NUMBER "A2" at 17115.3,11555.2 h10 r180; PIN_NUMBER "E4" at 17052.3,11681.2 h10 r180; PIN_NUMBER "F4" at 17052.3,11712.7 h10 r180; PIN_NUMBER "B11" at 16827.7,11586.7 h10 r180; PIN_NUMBER "D11" at 16827.7,11649.7 h10 r180; PIN_NUMBER "C7" at 16957.8,11618.2 h10 r180; PIN_NUMBER "F11" at 16827.7,11712.7 h10 r180; PIN_NUMBER "C5" at 17020.8,11618.2 h10 r180; PIN_NUMBER "E5" at 17020.8,11681.2 h10 r180; PIN_NUMBER "B9" at 16894.7,11586.7 h10 r180; PIN_NUMBER "C11" at 16827.7,11618.2 h10 r180; PIN_NUMBER "E13" at 16764.7,11681.2 h10 r180; PIN_NUMBER "B14" at 16733.2,11586.7 h10 r180; PIN_NUMBER "E12" at 16796.2,11681.2 h10 r180; PIN_NUMBER "C13" at 16764.7,11618.2 h10 r180; PIN_NUMBER "K7" at 16957.8,11838.8 h10 r180; PIN_NUMBER "M10" at 16859.2,11901.8 h10 r180; PIN_NUMBER "G5" at 17020.8,11744.2 h10 r180; PIN_NUMBER "J13" at 16764.7,11807.3 h10 r180; PIN_NUMBER "P9" at 16894.7,11964.8 h10 r180; PIN_NUMBER "H1" at 17146.8,11775.8 h10 r180; PIN_NUMBER "J12" at 16796.2,11807.3 h10 r180; PIN_NUMBER "D2" at 17115.3,11649.7 h10 r180; PIN_NUMBER "K12" at 16796.2,11838.8 h10 r180; PIN_NUMBER "N12" at 16796.2,11933.3 h10 r180; PIN_NUMBER "G2" at 17115.3,11744.2 h10 r180; PIN_NUMBER "M6" at 16989.3,11901.8 h10 r180; PIN_NUMBER "A5" at 17020.8,11555.2 h10 r180; PIN_NUMBER "B6" at 16989.3,11586.7 h10 r180; PIN_NUMBER "P12" at 16796.2,11964.8 h10 r180; PIN_NUMBER "C8" at 16926.2,11618.2 h10 r180; PIN_NUMBER "G10" at 16859.2,11744.2 h10 r180; PIN_NUMBER "P11" at 16827.7,11964.8 h10 r180; PIN_NUMBER "L10" at 16859.2,11870.3 h10 r180; PIN_NUMBER "A12" at 16796.2,11555.2 h10 r180; PIN_NUMBER "N11" at 16827.7,11933.3 h10 r180; PIN_NUMBER "D1" at 17146.8,11649.7 h10 r180; PIN_NUMBER "E14" at 16733.2,11681.2 h10 r180; PIN_NUMBER "L9" at 16894.7,11870.3 h10 r180; PIN_NUMBER "M9" at 16894.7,11901.8 h10 r180; PIN_NUMBER "A7" at 16957.8,11555.2 h10 r180; PIN_NUMBER "B5" at 17020.8,11586.7 h10 r180; PIN_NUMBER "L6" at 16989.3,11870.3 h10 r180; PIN_NUMBER "G12" at 16796.2,11744.2 h10 r180; PIN_NUMBER "K13" at 16764.7,11838.8 h10 r180; PIN_NUMBER "K11" at 16827.7,11838.8 h10 r180; PIN_NUMBER "J4" at 17052.3,11807.3 h10 r180; PIN_NUMBER "A9" at 16894.7,11555.2 h10 r180; PIN_NUMBER "C4" at 17052.3,11618.2 h10 r180; PIN_NUMBER "K14" at 16733.2,11838.8 h10 r180; PIN_NUMBER "M2" at 17115.3,11901.8 h10 r180; PIN_NUMBER "K2" at 17115.3,11838.8 h10 r180; PIN_NUMBER "L7" at 16957.8,11870.3 h10 r180; PIN_NUMBER "L1" at 17146.8,11870.3 h10 r180; PIN_NUMBER "G1" at 17146.8,11744.2 h10 r180; PIN_NUMBER "N7" at 16957.8,11933.3 h10 r180; PIN_NUMBER "J10" at 16859.2,11807.3 h10 r180; PIN_NUMBER "M11" at 16827.7,11901.8 h10 r180; PIN_NUMBER "M4" at 17052.3,11901.8 h10 r180; PIN_NUMBER "J11" at 16827.7,11807.3 h10 r180; PIN_NUMBER "J5" at 17020.8,11807.3 h10 r180; PIN_NUMBER "N8" at 16926.2,11933.3 h10 r180; PIN_NUMBER "L14" at 16733.2,11870.3 h10 r180; PIN_NUMBER "B2" at 17115.3,11586.7 h10 r180; PIN_NUMBER "A6" at 16989.3,11555.2 h10 r180; PIN_NUMBER "B7" at 16957.8,11586.7 h10 r180; PIN_NUMBER "C10" at 16859.2,11618.2 h10 r180; PIN_NUMBER "B8" at 16926.2,11586.7 h10 r180; PIN_NUMBER "A13" at 16764.7,11555.2 h10 r180; PIN_NUMBER "C12" at 16796.2,11618.2 h10 r180; PIN_NUMBER "A14" at 16733.2,11555.2 h10 r180; PIN_NUMBER "B13" at 16764.7,11586.7 h10 r180; PIN_NUMBER "F5" at 17020.8,11712.7 h10 r180; PIN_NUMBER "L8" at 16926.2,11870.3 h10 r180; PIN_NUMBER "F2" at 17115.3,11712.7 h10 r180; PIN_NUMBER "L13" at 16764.7,11870.3 h10 r180; PIN_NUMBER "N3" at 17083.8,11933.3 h10 r180; PIN_NUMBER "L5" at 17020.8,11870.3 h10 r180; PIN_NUMBER "L12" at 16796.2,11870.3 h10 r180; PIN_NUMBER "M7" at 16957.8,11901.8 h10 r180; PIN_NUMBER "E11" at 16827.7,11681.2 h10 r180; PIN_NUMBER "L11" at 16827.7,11870.3 h10 r180; PIN_NUMBER "D12" at 16796.2,11649.7 h10 r180; PIN_NUMBER "H12" at 16796.2,11775.8 h10 r180; PIN_NUMBER "D13" at 16764.7,11649.7 h10 r180; PIN_NUMBER "M14" at 16733.2,11901.8 h10 r180; PIN_NUMBER "D14" at 16733.2,11649.7 h10 r180; PIN_NUMBER "J14" at 16733.2,11807.3 h10 r180; PIN_NUMBER "G4" at 17052.3,11744.2 h10 r180; PIN_NUMBER "P3" at 17083.8,11964.8 h10 r180; PIN_NUMBER "A10" at 16859.2,11555.2 h10 r180; PIN_NUMBER "P6" at 16989.3,11964.8 h10 r180; PIN_NUMBER "N4" at 17052.3,11933.3 h10 r180; PIN_NUMBER "P4" at 17052.3,11964.8 h10 r180; PIN_NUMBER "M1" at 17146.8,11901.8 h10 r180; PIN_NUMBER "D3" at 17083.8,11649.7 h10 r180; PIN_NUMBER "E8" at 16926.2,11681.2 h10 r180; PIN_NUMBER "C1" at 17146.8,11618.2 h10 r180; PIN_NUMBER "K8" at 16926.2,11838.8 h10 r180; PIN_NUMBER "K6" at 16989.3,11838.8 h10 r180; PIN_NUMBER "K3" at 17083.8,11838.8 h10 r180; PIN_NUMBER "D8" at 16926.2,11649.7 h10 r180; PIN_NUMBER "L3" at 17083.8,11870.3 h10 r180; PIN_NUMBER "D4" at 17052.3,11649.7 h10 r180; PIN_NUMBER "L2" at 17115.3,11870.3 h10 r180; PIN_NUMBER "J1" at 17146.8,11807.3 h10 r180; PIN_NUMBER "G11" at 16827.7,11744.2 h10 r180; PIN_NUMBER "N5" at 17020.8,11933.3 h10 r180; PIN_NUMBER "P10" at 16859.2,11964.8 h10 r180; PIN_NUMBER "H4" at 17052.3,11775.8 h10 r180; PIN_NUMBER "A3" at 17083.8,11555.2 h10 r180; PIN_NUMBER "B3" at 17083.8,11586.7 h10 r180; PIN_NUMBER "E2" at 17115.3,11681.2 h10 r180; PIN_NUMBER "C6" at 16989.3,11618.2 h10 r180; PIN_NUMBER "H14" at 16733.2,11775.8 h10 r180; PIN_NUMBER "H13" at 16764.7,11775.8 h10 r180; PIN_NUMBER "E7" at 16957.8,11681.2 h10 r180; PIN_NUMBER "E1" at 17146.8,11681.2 h10 r180; PIN_NUMBER "F3" at 17083.8,11712.7 h10 r180; PIN_NUMBER "D6" at 16989.3,11649.7 h10 r180; PIN_NUMBER "J2" at 17115.3,11807.3 h10 r180; PIN_NUMBER "H2" at 17115.3,11775.8 h10 r180; PIN_NUMBER "K10" at 16859.2,11838.8 h10 r180; PIN_NUMBER "P8" at 16926.2,11964.8 h10 r180; PIN_NUMBER "N6" at 16989.3,11933.3 h10 r180; PIN_NUMBER "H10" at 16859.2,11775.8 h10 r180; PIN_NUMBER "P14" at 16733.2,11964.8 h10 r180; PIN_NUMBER "G13" at 16764.7,11744.2 h10 r180; PIN_NUMBER "G14" at 16733.2,11744.2 h10 r180; PIN_NUMBER "P13" at 16764.7,11964.8 h10 r180; PIN_NUMBER "N13" at 16764.7,11933.3 h10 r180; PIN_NUMBER "M12" at 16796.2,11901.8 h10 r180; PIN_NUMBER "F10" at 16859.2,11712.7 h10 r180; PIN_NUMBER "A4" at 17052.3,11555.2 h10 r180; PIN_NUMBER "A8" at 16926.2,11555.2 h10 r180; PIN_NUMBER "E6" at 16989.3,11681.2 h10 r180; PIN_NUMBER "E3" at 17083.8,11681.2 h10 r180; PIN_NUMBER "D9" at 16894.7,11649.7 h10 r180; PIN_NUMBER "C14" at 16733.2,11618.2 h10 r180; PIN_NUMBER "F13" at 16764.7,11712.7 h10 r180; PIN_NUMBER "F14" at 16733.2,11712.7 h10 r180; PIN_NUMBER "F12" at 16796.2,11712.7 h10 r180; ASSEMBLY_TOP "PART#" at 16949,11986 h40 r180; ASSEMBLY_TOP "TOL" at 16899,12036 h40 r180; ASSEMBLY_TOP "TMS320VC5509GHH (179 Pin BGA)" at 16949,11936 h40 r180
U503: PIN_NUMBER "4" at 17960.5,11830 h40 r90; PIN_NUMBER "3" at 17960.5,11780 h40 r90; PIN_NUMBER "1" at 17960.5,11680 h40 r90; PIN_NUMBER "2" at 17960.5,11730 h40 r90; PIN_NUMBER "7" at 17717.5,11730 h40 r90; PIN_NUMBER "5" at 17717.5,11830 h40 r90; PIN_NUMBER "6" at 17717.5,11780 h40 r90; PIN_NUMBER "8" at 17717.5,11680 h40 r90; ASSEMBLY_TOP "24WC256" at 17895,11630 h40 r90; ASSEMBLY_TOP "X" at 17895,11670 h40 r90; ASSEMBLY_TOP "X" at 17895,11710 h40 r90
U510: PIN_NUMBER "1" at 17659.6,12239.8 h20 r90; PIN_NUMBER "11" at 17416.4,12470.2 h20 r90; PIN_NUMBER "20" at 17416.4,12239.8 h20 r90; PIN_NUMBER "8" at 17659.6,12419 h20 r90; PIN_NUMBER "21" at 17534,12355 h20 r90; PIN_NUMBER "14" at 17416.4,12393.4 h20 r90; PIN_NUMBER "17" at 17416.4,12316.6 h20 r90; PIN_NUMBER "9" at 17659.6,12444.6 h20 r90; PIN_NUMBER "10" at 17651.6,12470.2 h20 r90; PIN_NUMBER "6" at 17659.6,12367.8 h20 r90; PIN_NUMBER "5" at 17659.6,12342.2 h20 r90; PIN_NUMBER "15" at 17416.4,12367.8 h20 r90; PIN_NUMBER "16" at 17416.4,12342.2 h20 r90; PIN_NUMBER "4" at 17659.6,12316.6 h20 r90; PIN_NUMBER "2" at 17659.6,12265.4 h20 r90; PIN_NUMBER "3" at 17659.6,12291 h20 r90; PIN_NUMBER "12" at 17416.4,12444.6 h20 r90; PIN_NUMBER "13" at 17416.4,12419 h20 r90; PIN_NUMBER "7" at 17659.6,12393.4 h20 r90; PIN_NUMBER "19" at 17416.4,12265.4 h20 r90; PIN_NUMBER "18" at 17416.4,12291 h20 r90; ASSEMBLY_TOP "X" at 17530,12392 h40 r90; ASSEMBLY_TOP "X" at 17530,12357 h40 r90; ASSEMBLY_TOP "TPS70202PWP" at 17530,12322 h40 r90; SYMB_DIM "TSSOP20-14X70" at 17100,12080 h40 r90